# Altium PCB Soldermask_new.PcbDoc (part 2 of 4)
Units mm, origin at the board's own origin, x right, y up, seen from the top; angles counter-clockwise.
Board outline 56.52 x 96.27 mm, 2 copper layers (Top Layer, Bottom Layer); 83 components, 70 nets, 284 pads, 137 vias.
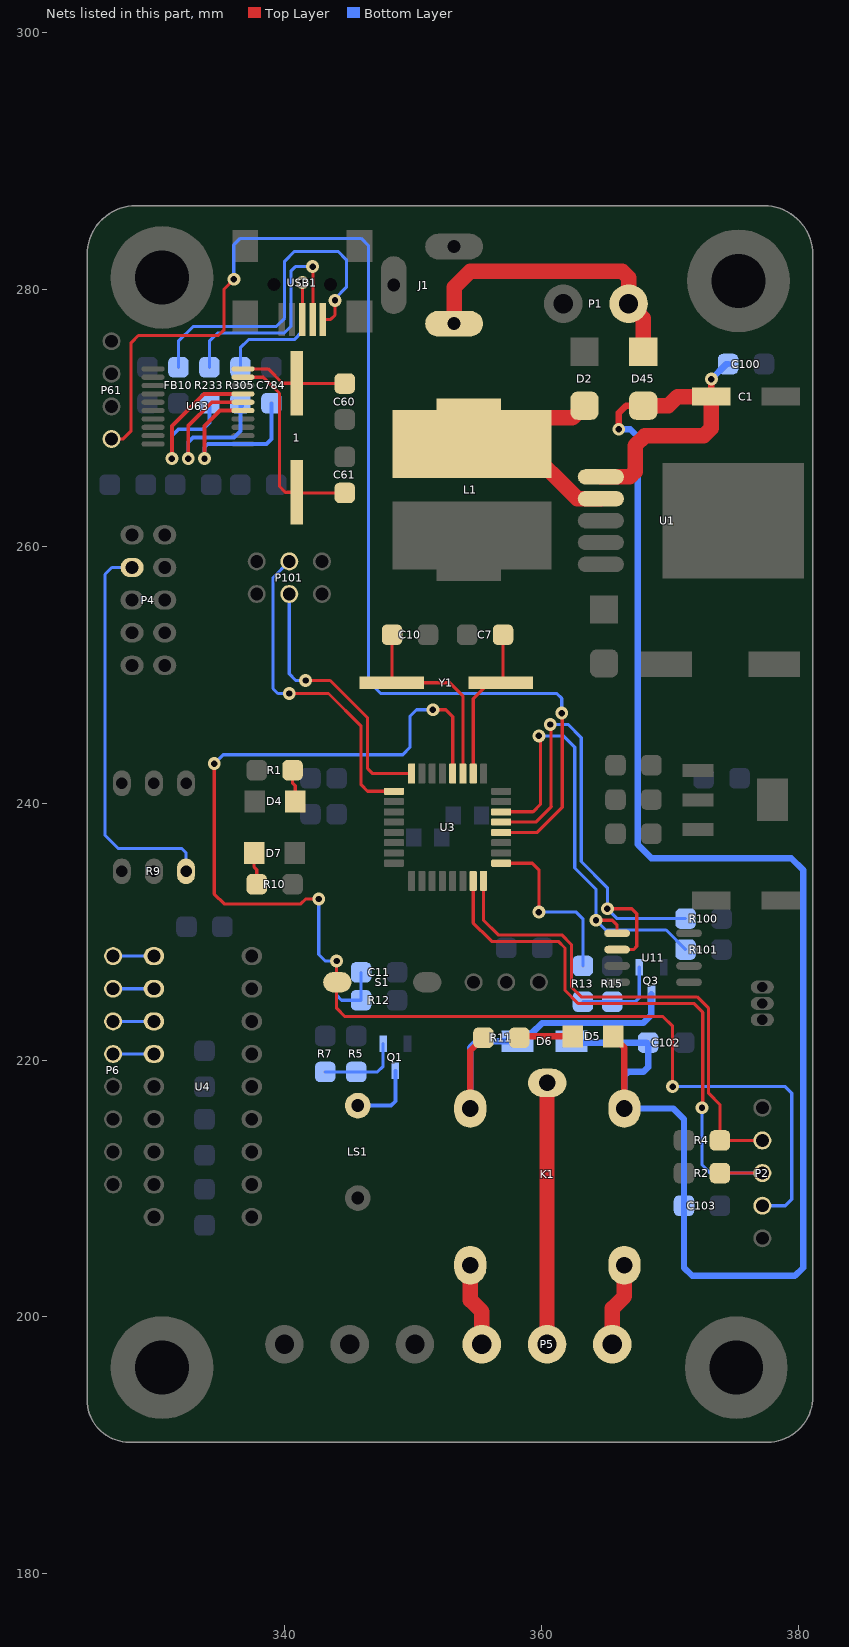
[diagram p2: the nets of this part, all layers, seen from the top]

## Via types
v1: diameter 1, hole 0.5, Top Layer to Bottom Layer, tented both sides, 102 vias
v2: diameter 0.8, hole 0.5, Top Layer to Bottom Layer, tented both sides, 32 vias
v3: diameter 1, hole 0.5, Top Layer to Bottom Layer, 3 vias

## Nets (pads, with @x,y where several pads share a name; then routed paths per layer and width w, separated by ;. In a path a pad name is that pad's centre, name@x,y a point inside that pad or via, vN(x,y) a via of type N, cw(c..) or ccw(c..) an arc to the next point about the centre after c; other vN are vias at no path point) (continued)
NetC784_2: C784.2 U63.5 | length 15.2
  Top Layer w0.3: v1(333.756,266.827) 333.756,269.367 334.955,270.566 U63.5@336.748,270.566
  Bottom Layer w0.3: v1(333.756,266.827) 333.756,267.716 334.01,267.97 338.582,267.97 338.963,268.351 C784.2@338.963,271.142
NetD2_2: D2.2 L1.1 U1.2 | length 19.1
  Top Layer w1.2: L1.1@354.076,267.843 358.648,267.843 362.788,263.703 U1.2@364.617,263.703 ; L1.1@358.394,267.843 L1.1@360.104,269.553 ; L1.1@359.283,270.002 362.399,270.002 D2.2@363.347,270.95
NetD4_1: D4.1 R1.1 | length 2.5
  Top Layer w0.25: R1.1@340.617,242.57 340.614,242.567 340.614,241.554 340.817,241.351 D4.1@340.817,240.132
NetD5_2: D5.2 R11.1 | length 4.1
  Top Layer w0.5: R11.1@358.295,221.844 D5.2@362.419,221.844
NetD6_1: D6.1 K1.4 Q3.3 R11.2 | length 27.5
  Top Layer w0.5: K1.4@354.45,216.226 354.45,220.722 R11.2@355.47,221.742
  Bottom Layer w0.5: K1.4@354.45,216.226 354.45,220.973 354.94,221.463 D6.1@358.14,221.463 358.74,222.063 359.223,222.063 360.045,222.885 367.919,222.885 368.554,223.52 Q3.3@368.554,225.137
NetD7_1: D7.1 R10.1 | length 2.5
  Top Layer w0.25: D7.1@337.617,236.118 337.617,235.026 337.817,234.826 R10.1@337.817,233.68
NetD45_1: D45.1 J1.1 P1.2 | length 23.4
  Top Layer w1.2: J1.1@353.187,277.337 353.187,280.162 354.457,281.432 366.268,281.432 366.776,280.924 P1.2@366.776,278.892 367.919,277.749 D45.1@367.919,275.15
NetFB10_2: FB10.2 USB1.1 | length 26.6
  Top Layer w0.25: USB1.1@342.971,277.663 343.576,277.663 343.916,278.003 v1(343.916,279.146)
  Bottom Layer w0.25: FB10.2@331.724,273.942 331.724,275.971 332.867,277.114 339.344,277.114 339.996,277.766 339.996,282.211 340.741,282.956 344.17,282.956 344.805,282.321 344.805,280.162 343.916,279.273 v1(343.916,279.146)
NetK1_1: K1.1 P5.2 | length 20.4
  Top Layer w1.2: P5.2@360.426,197.866 K1.1@360.426,218.202
  Bottom Layer w1.2: K1.1@360.426,218.202 K1.1@360.45,218.226
NetK1_2: K1.2 P5.1 | length 6.6
  Top Layer w1.2: P5.1@365.506,197.866 365.506,200.66 366.45,201.604 K1.2@366.45,204.026
NetK1_3: K1.3 P5.3 | length 6.5
  Top Layer w1.2: K1.3@354.45,204.026 354.45,201.302 355.346,200.406 P5.3@355.346,197.866
NetLS1_2: LS1.2 Q1.3 | length 5.4
  Bottom Layer w0.3: LS1.2@345.694,216.452 348.278,216.452 348.615,216.789 Q1.3@348.615,219.168
NetP4_8: P4.8 R9.3 | length 31
  Bottom Layer w0.25: P4.8@328.117,258.351 326.55,258.351 326.009,257.81 326.009,237.49 327.025,236.474 331.978,236.474 332.319,236.133 R9.3@332.319,234.696
NetQ1_1: Q1.1 R5.1 R7.1 | length 6.4
  Bottom Layer w0.25: R7.1@343.154,219.072 R5.1@345.567,219.072 347.215,219.072 347.665,219.522 Q1.1@347.665,221.268
NetQ3_1: Q3.1 R13.1 R15.1 | length 6.9
  Bottom Layer w0.25: R13.1@363.22,224.533 R15.1@365.506,224.533 367.281,224.533 367.604,224.856 Q3.1@367.604,227.237
NetR233_1: R233.1 U63.7 | length 16.1
  Top Layer w0.3: v1(331.216,266.827) 331.021,266.827 331.216,267.022 331.216,269.367 333.715,271.866 U63.7@336.748,271.866
  Bottom Layer w0.3: v1(331.216,266.827) 331.216,268.605 331.724,269.113 333.629,269.113 334.137,269.621 334.137,270.973 R233.1@333.968,271.142
NetR233_2: R233.2 USB1.2 | length 19.1
  Top Layer w0.25: v1(342.17,281.781) 342.201,281.75 342.201,277.693 USB1.2@342.171,277.663
  Bottom Layer w0.25: R233.2@334.137,273.942 334.137,275.971 334.772,276.606 339.979,276.606 340.487,277.114 340.487,281.432 340.836,281.781 v1(342.17,281.781)
NetR305_1: R305.1 U63.6 | length 15.9
  Top Layer w0.3: v1(332.486,266.827) 332.486,269.367 334.335,271.216 U63.6@336.748,271.216
  Bottom Layer w0.3: v1@332.486,266.967 v1(332.486,266.827) 332.486,268.097 332.867,268.478 336.042,268.478 336.55,268.986 R305.1@336.55,271.142 ; R305.1@336.465,271.142 R305.1@336.677,270.93
NetR305_2: R305.2 USB1.3 | length 13.6
  Top Layer w0.25: USB1.3@341.371,277.663 341.376,277.668 v1(341.376,280.543)
  Bottom Layer w0.25: R305.2@336.55,273.942 336.55,275.463 337.185,276.098 340.741,276.098 341.376,276.733 v1(341.376,280.543)
NRST: C11.2 P2.2 R12.1 S1.2 U3.4 | length 113.4
  Top Layer w0.25: v1(334.518,243.078) 334.518,232.918 335.28,232.156 341.249,232.156 341.63,232.537 v1(342.646,232.537) ; v1(344.043,227.711) 344.043,224.028 344.678,223.393 369.443,223.393 370.205,222.631 v1(370.205,217.932) ; v1(351.536,247.269) 352.552,247.269 353.079,246.742 U3.4@353.079,242.305
  Bottom Layer w0.25: v1(334.518,243.078) 335.217,243.777 349.187,243.777 349.758,244.348 349.758,246.761 350.266,247.269 v1(351.536,247.269) ; v1(342.646,232.537) 342.646,228.219 343.154,227.711 v1(344.043,227.711) 344.043,225.044 344.424,224.663 R12.1@345.945,224.663 C11.2@345.945,226.822 ; v1@370.078,217.932 v1(370.205,217.932) 378.968,217.932 379.476,217.424 379.476,209.169 378.968,208.661 P2.2@377.19,208.661
OSC_IN: C7.1 U3.2 Y1.2 | length 12.2
  Top Layer w0.25: U3.2@354.679,242.305 354.679,248.126 355.93,249.377 Y1.2@356.819,249.377 ; Y1.2@357,249.558 C7.1@357,253.238
OSC_OUT: C10.1 U3.3 Y1.1 | length 15.9
  Top Layer w0.25: Y1.1@348.336,249.377 352.857,249.377 353.879,248.355 U3.3@353.879,242.305 ; Y1.1@348.358,249.4 C10.1@348.358,253.238
PA2: P101.4 U3.8 | length 21.3
  Top Layer w0.25: v1(341.63,249.555) 343.535,249.555 346.456,246.634 346.456,242.697 346.848,242.305 U3.8@349.879,242.305
  Bottom Layer w0.25: P101.4@340.36,256.286 340.36,250.063 340.868,249.555 v1(341.63,249.555)
PA3: P101.3 U3.9 | length 25.8
  Top Layer w0.25: v3(340.36,248.539) 343.408,248.539 345.948,245.999 345.948,241.427 346.45,240.925 U3.9@348.499,240.925
  Bottom Layer w0.25: v3(340.36,248.539) 339.471,248.539 339.09,248.92 339.09,257.556 P101.3@340.36,258.826
PWM: P61.4 U3.28 | length 98.2
  Top Layer w0.25: P61.4@326.517,268.351 327.406,268.351 328.041,268.986 328.041,275.844 328.612,276.415 334.835,276.415 335.28,276.86 335.28,280.035 v1(336.042,280.797) ; U3.28@356.859,237.725 359.664,237.725 361.615,239.676 361.615,246.68 361.442,246.853 361.569,246.98 v1(361.569,247.015)
  Bottom Layer w0.25: v1(336.042,280.797) 336.042,283.464 336.55,283.972 345.948,283.972 346.525,283.395 346.525,249.486 347.472,248.539 361.188,248.539 361.569,248.158 v1(361.569,247.015) 361.569,246.74 v1@361.615,246.694
R1: P6.1 U4.1 | length 3.2
  Bottom Layer w0.25: P6.1@326.644,228.092 U4.1@329.819,228.092
R2: P6.2 U4.2 | length 3.2
  Bottom Layer w0.25: P6.2@326.644,225.552 U4.2@329.819,225.552
R3: P6.3 U4.3 | length 3.2
  Bottom Layer w0.25: P6.3@326.644,223.012 U4.3@329.819,223.012
R4: P6.4 U4.4 | length 3.2
  Bottom Layer w0.25: P6.4@326.644,220.472 U4.4@329.819,220.472
RELAY: R13.2 U3.25 | length 13.8
  Top Layer w0.25: U3.25@356.859,235.325 359.289,235.325 359.791,234.823 v1(359.791,231.521)
  Bottom Layer w0.25: v1(359.791,231.521) 362.712,231.521 363.22,231.013 R13.2@363.22,227.333
SCL: R100.1 U3.29 U11.6 | length 40.9
  Top Layer w0.25: U3.29@356.859,238.525 359.556,238.525 360.767,239.736 360.743,239.759 360.743,246.063 v1(360.68,246.126) ; v1(365.125,231.775) 367.03,231.775 367.411,231.394 367.411,228.854 367.157,228.6 U11.6@365.881,228.6
  Bottom Layer w0.25: v1(360.68,246.126) 362.077,246.126 363.093,245.11 363.093,235.458 365.125,233.426 v1(365.125,231.775) 365.887,231.013 R100.1@371.218,231.013
SDA: R101.1 U3.30 U11.5 | length 36.4
  Top Layer w0.25: U3.30@356.859,239.325 359.34,239.325 359.918,239.903 359.918,245.11 v1(359.791,245.237) ; v1(364.236,230.886) 365.506,230.886 365.881,230.511 U11.5@365.881,229.87
  Bottom Layer w0.25: v1(359.791,245.237) 361.696,245.237 362.585,244.348 362.585,234.95 364.236,233.299 v1(364.236,230.886) 364.998,230.124 369.694,230.124 R101.1@371.218,228.6
SWCLK: P2.4 R4.2 U3.24 | length 39.3
  Top Layer w0.25: U3.24@355.479,233.945 355.479,230.88 356.616,229.743 361.569,229.743 362.331,228.981 362.331,225.679 363.093,224.917 372.11,224.917 373.004,224.023 373.004,217.419 373.891,216.532 R4.2@373.891,213.741 P2.4@377.19,213.741
SWDIO: P2.3 R2.2 U3.23 | length 46.1
  Top Layer w0.25: U3.23@354.679,233.945 354.679,230.664 355.912,229.431 355.913,229.431 356.109,229.235 361.315,229.235 361.823,228.727 361.823,225.425 362.833,224.415 ; 362.833,224.409 371.856,224.409 372.554,223.711 372.554,216.344 v1(372.491,216.281) ; R2.2@373.891,211.201 P2.3@377.19,211.201
  Bottom Layer w0.25: v1(372.491,216.281) 372.491,211.836 373.126,211.201 P2.3@377.19,211.201
VCC_IN: C1.1 C100.2 C102.1 C103.1 D5.1 D6.2 D45.2 K1.5 U1.1 | length 148.9
  Top Layer w0.5: D5.1@365.582,221.844 366.45,220.976 K1.5@366.45,216.226 ; v3(366.014,269.113) 366.014,270.383 366.581,270.95 D45.2@367.919,270.95 ; C1.1@373.22,271.653 v1(373.22,273.017)
  Top Layer w1.2: U1.1@364.617,265.405 366.878,265.405 367.284,265.811 367.284,267.843 368.046,268.605 372.618,268.605 373.22,269.207 C1.1@373.22,271.653 370.586,271.653 369.883,270.95 D45.2@367.919,270.95
  Bottom Layer w0.5: D6.2@362.331,221.463 362.433,221.361 368.17,221.361 368.297,221.234 368.297,219.453 367.919,219.075 366.743,219.075 366.45,218.782 K1.5@366.45,216.226 370.26,216.226 371.091,215.395 C103.1@371.091,208.661 371.091,203.838 371.729,203.2 379.73,203.2 380.365,203.835 380.365,234.798 379.451,235.712 368.554,235.712 367.48,236.786 367.48,268.536 366.903,269.113 v3(366.014,269.113) ; v1(373.22,273.017) 374.396,274.193 C100.2@374.52,274.193
XI: 1.2 C61.2 U63.9 | length 15.8
  Top Layer w0.25: U63.9@336.748,273.166 338.339,273.166 339.598,271.907 339.598,264.668 340.055,264.211 1.2@340.944,264.211 ; 1.2@340.998,264.157 C61.2@344.678,264.157
XO: 1.1 C60.2 U63.10 | length 8.4
  Top Layer w0.25: U63.10@336.748,273.816 338.705,273.816 339.827,272.694 1.1@340.944,272.694 ; 1.1@340.967,272.672 C60.2@344.678,272.672
pads on no net: M1.1 M2.1 M3.1 M4.1 U63.1 U63.2 U63.11 U63.12 U63.13 U63.14 U63.15 U63.16 U63.17 U63.18 U63.20 USB1.4 USB1.6 USB1.7 USB1.8 USB1.9 USB1.MH1 USB1.MH2
copper on no net: | length 1068.1